# Altium PCB wtc_spi.PcbDoc (part 1 of 2) (continued)
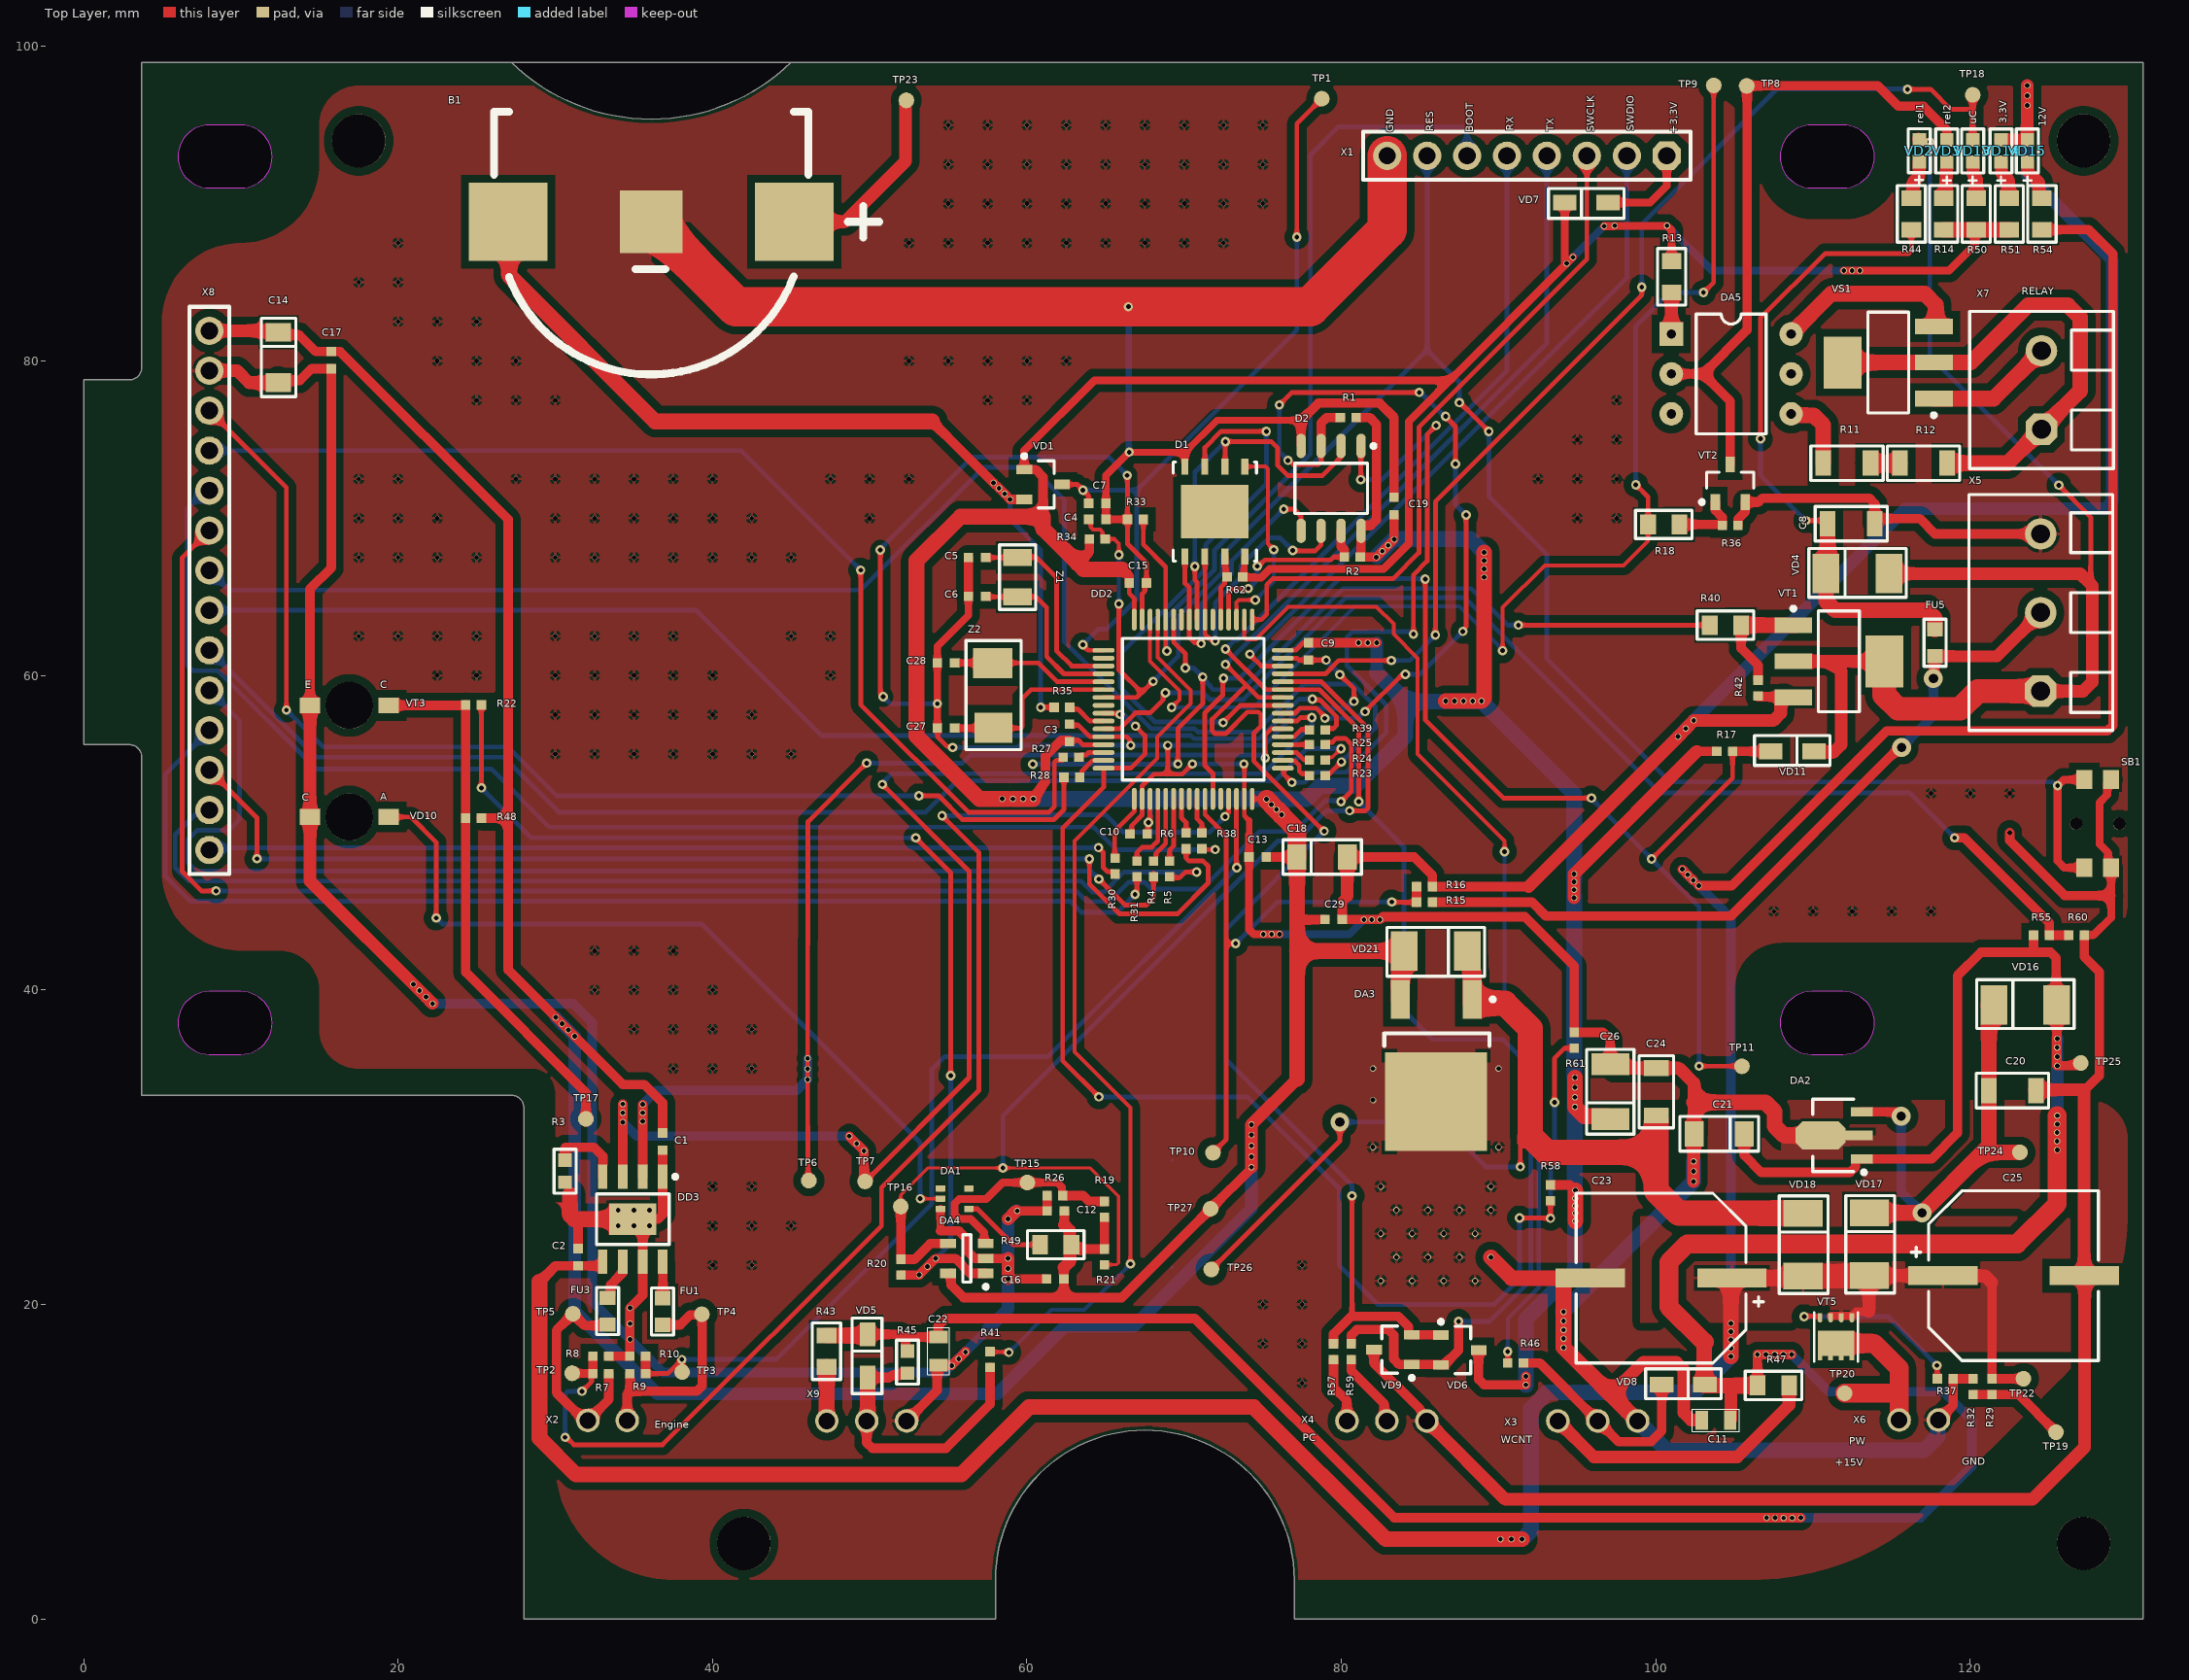
[diagram p0: Top Layer view]
## Components (designator, comment, footprint, x,y, rotation, side; value= is the part's Value field where it differs from the comment) (continued)
VD10 "TMSL1000" TSML1000 16.9,51 r180 top
VD11 "F1J" SOD123F 108.675,55.175 r0 top
VD13 "BLUE" CH0603LB 120.15,93.35 r90 top
VD14 "RED" CH0603LB 121.95,93.35 r90 top
VD15 "ORANGE" CH0603LB 123.625,93.35 r90 top
VD16 "B140-E3/61T" SMA 123.5,39.05 r180 top
VD17 "B140-E3/61T" SMA 113.575,23.825 r90 top
VD18 "S2BA" SMA 109.35,23.8 r90 top
VD21 "B140-E3/61T" SMA 86,42.475 r0 top
VS1 "*" SOT223_G-D-S 114.775,79.9 r180 top
VT1 "STN3NF06L" SOT223_G-D-S 111.639,60.9 r0 top
VT2 "*" SOT23_123 104.725,72.225 r90 top
VT3 "TEMT1000" TEMT1000 16.9,58.1 r180 top
VT5 "*" PQFN-3X3 110.437,16.607 r90 top
X1 "*" "CON: PBS-8" 91.8,93.05 r180 top
X2 "*" "CON: MX-22-05-3021" 32.075,12.625 r0 top
X3 "*" "CON: MX-22-05-3031" 93.76,12.591 r0 top
X4 "*" "CON: MX-22-05-3031" 80.35,12.591 r0 top
X5 "*" "CON: 300-03P-5.0" 124.475,64 r90 top
X6 "*" "CON: MX-22-05-3021" 115.468,12.647 r0 top
X7 "*" "CON: 300-02P-5.0" 124.525,78.15 r90 top
X8 "*" DS1024-14 8,48.9 r90 top locked
X9 "*" "CON: MX-22-05-3031" 47.27,12.591 r0 top
Z1 "32.768KHz" "OSC: 3215" 59.4,66.25 r90 top
Z2 "8МГц" "OSC: ABM3" 57.875,58.725 r180 top

## Footprints (in the part's own frame and the unit in brackets; to place one, negate y for a bottom-side part, rotate by r counter-clockwise, add the part's x,y. Pads: shape width x height; smd on the part's side, far side on the other; paste and mask are expansions set on the pad)
8-HSOP [mm]
  rect 1.55x0.6 smd: 1(-2.7,1.905) 2(-2.7,0.635) 3(-2.7,-0.635) 4(-2.7,-1.905) 5(2.7,-1.905) 6(2.7,-0.635) 7(2.7,0.635) 8(2.7,1.905)
  rect 2x3 smd: 1(0,0)
  round 0.7 on Mech1: 28(-2.395,1.8)
  silkscreen extent -2.82,-2.3 1.61,2.83, body extent -3,-2.45 3,2.45, height 1.75
8-SOIC [mm]
  rrect100% 1.55x0.6 smd: 1(-2.7,1.905) 2(-2.7,0.635) 3(-2.7,-0.635) 4(-2.7,-1.905) 5(2.7,-1.905) 6(2.7,-0.635) 7(2.7,0.635) 8(2.7,1.905)
  round 0.7 on Mech1: 28(-2.395,1.8)
  silkscreen extent -2.82,-2.3 1.61,2.83, body extent -3,-2.45 3,2.45, height 1.75
"8-WSON (5X6MM)WITHOUT_HOLES" [mm]
  round 0.5 on Mech1: 0(-2.5,2)
  round 0.5 on Top Overlay: 1(-3.5,3)
  rect 1x0.45 smd: 1(-2.86,1.905) 2(-2.86,0.635) 3(-2.86,-0.635) 4(-2.86,-1.905) 5(2.86,-1.905) 6(2.86,-0.635) 7(2.86,0.635) 8(2.86,1.905)
  rect 3.4x4.3 smd paste-1.7: 9(0,0)
  silkscreen extent -3.15,-2.65 3.15,2.65, body extent -3.05,-2.5 2.95,2.5, height 0.8
64-LQFP [mm] "Thin QFP, 64-Leads, Body 10x10mm, Pitch 0.5mm, IPC Medium Density"
  oval 1.4x0.3 smd: 1(-5.7,3.75) 2(-5.7,3.25) 3(-5.7,2.75) 4(-5.7,2.25) 5(-5.7,1.75) 6(-5.7,1.25) 7(-5.7,0.75) 8(-5.7,0.25) 9(-5.7,-0.25) 10(-5.7,-0.75) 11(-5.7,-1.25) 12(-5.7,-1.75) 13(-5.7,-2.25) 14(-5.7,-2.75) 15(-5.7,-3.25) 16(-5.7,-3.75) 33(5.7,-3.75) 34(5.7,-3.25) 35(5.7,-2.75) 36(5.7,-2.25) 37(5.7,-1.75) 38(5.7,-1.25) 39(5.7,-0.75) 40(5.7,-0.25) 41(5.7,0.25) 42(5.7,0.75) 43(5.7,1.25) 44(5.7,1.75) 45(5.7,2.25) 46(5.7,2.75) 47(5.7,3.25) 48(5.7,3.75)
  round 0.5 on Mech1: 1(-5.4,5.4)
  oval 0.3x1.4 smd: 17(-3.75,-5.7) 18(-3.25,-5.7) 19(-2.75,-5.7) 20(-2.25,-5.7) 21(-1.75,-5.7) 22(-1.25,-5.7) 23(-0.75,-5.7) 24(-0.25,-5.7) 25(0.25,-5.7) 26(0.75,-5.7) 27(1.25,-5.7) 28(1.75,-5.7) 29(2.25,-5.7) 30(2.75,-5.7) 31(3.25,-5.7) 32(3.75,-5.7) 49(3.75,5.7) 50(3.25,5.7) 51(2.75,5.7) 52(2.25,5.7) 53(1.75,5.7) 54(1.25,5.7) 55(0.75,5.7) 56(0.25,5.7) 57(-0.25,5.7) 58(-0.75,5.7) 59(-1.25,5.7) 60(-1.75,5.7) 61(-2.25,5.7) 62(-2.75,5.7) 63(-3.25,5.7) 64(-3.75,5.7)
  round 0.5 on Top Overlay: ""(-5.7,4.4)
  silkscreen extent -4.5,-4.5 4.5,4.5, body extent -6,-6 6,6, height 1.5
"BAT: CR2032_SM" [mm]
  rect 5x5 smd: 1(-9.1,0) 1(9.1,0)
  rect 3.96x3.96 smd: 2(0,0)
  silkscreen extent -10,-9.7 14.5,7, body extent -11.55,-10 11.55,10, height 4.1
C_0603 [mm]
  rect 0.8x1.2 smd: 1(-0.9,0) 2(0.9,0)
  silkscreen extent -1.5,-0.7 1.5,0.7, body extent -0.8,-0.4 0.8,0.4, height 0.6
CH0402C [mm]
  rect 0.6x0.6 smd: 1(-0.55,0) 2(0.55,0)
  body extent -0.51,-0.25 0.51,0.25, height 0.51
CH0402R [mm]
  rect 0.6x0.6 smd: 1(-0.5,0) 2(0.5,0)
  body extent -0.52,-0.25 0.47,0.25, height 0.34
CH0603F [mm] "Chip Resistor, Body 1.6x0.8mm, EIA 0603, IPC Medium Density"
  rect 0.9x1 smd: 1(-0.85,0) 2(0.85,0)
  Top Layer pour cut-out: -0.6,0.5 -0.4,0.7 0.4,0.7 0.6,0.5 0.6,-0.5 0.4,-0.7 -0.4,-0.7 -0.6,-0.5
  silkscreen extent -1.5,-0.7 1.5,0.7, body extent -0.87,-0.47 0.88,0.48, height 0.54
CH0603LB [mm] "Chip Capacitor, 2-Leads, Body 1,53x0,85mm, IPC Medium Density"
  rect 0.85x0.85 smd: 1(-0.7,0) 2(0.7,0)
  silkscreen extent -2.13,-0.7 1.4,0.7, body extent -0.8,-0.4 0.8,0.4, height 0.6
CH0603R [mm]
  rect 0.85x0.85 smd: 1(-0.7,0) 2(0.7,0)
  silkscreen extent -1.4,-0.7 1.4,0.7, body extent -0.8,-0.4 0.8,0.4, height 0.44
CH0805R [mm]
  rect 1x1.25 smd: 1(-1,0) 2(1,0)
  silkscreen extent -1.8,-0.9 1.8,0.9, body extent -1,-0.6 1,0.6, height 0.44
CH1206C [mm] "Non polar chip capacitor, size 1206"
  rect 1x1.6 smd: 1(-1.5,0) 2(1.5,0)
  silkscreen extent -2.3,-1.1 2.3,1.1, body extent -1.6,-0.8 1.6,0.8, height 1
CH1206R [mm] "Chip Resistor, 2-Leads, Body 3,0x1,5mm, IPC Low Density"
  rect 1x1.6 smd: 1(-1.5,0) 2(1.5,0)
  silkscreen extent -2.3,-1.1 2.3,1.1, body extent -1.65,-0.8 1.55,0.8, height 0.47
"CON: 300-02P-5.0" [mm] "2 pin 5.08mm screw connector"
  oct 2x2 hole 1.2: 1(-2.5,0)
  round 2 hole 1.2: 2(2.5,0)
  round 0.5 on Mech1: 13(-4.4,-3.9)
  silkscreen extent -5,-4.57 5,4.57, body extent -5.08,-4.44 5.08,4.56, height 12.5
"CON: 300-03P-5.0" [mm] "3 pin 5.08mm screw connector"
  oct 2x2 hole 1.2: 1(-5,0)
  round 2 hole 1.2: 2(0,0) 3(5,0)
  round 0.5 on Mech1: 11(-6.7,-3.7)
  silkscreen extent -7.5,-4.57 7.5,4.57, body extent -7.62,-4.44 7.62,4.56, height 12.5
"CON: MX-22-05-3021" [mm]
  round 1.5 hole 1.05: 1(0,0) 2(2.5,0)
  body extent -1.3,-12.59 3.78,0.35, height 6.5
"CON: MX-22-05-3031" [mm]
  round 1.5 hole 1.05: 1(0,0) 2(2.54,0) 3(5.08,0)
  body extent -1.27,-12.59 6.35,0.35, height 6.5
"CON: PBS-8" [mm] "PBS-8"
  oct 1.8x1.8 hole 1.1: 1(-8.89,0)
  round 1.8 hole 1.1: 2(-6.35,0) 3(-3.81,0) 4(-1.27,0) 5(1.27,0) 6(3.81,0) 7(6.35,0) 8(8.89,0)
  silkscreen extent -10.41,-1.52 10.41,1.52
D10C4.4H10 [mm]
  rect 4.4x1.2 smd: 1(-4.5,0) 2(4.5,0)
  silkscreen extent -6.5,-5.4 5.4,5.4, body extent -5.9,-5.25 5.9,5.25, height 10.5
DIP6 [mm]
  rect 1.5x1.5 hole 0.6: 1(0,0)
  round 1.5 hole 0.6: 2(0,-2.54) 3(0,-5.08) 4(7.62,-5.08) 5(7.62,-2.54) 6(7.62,0)
  silkscreen extent 1.58,-6.35 6.04,1.27
DPAK_213 [mm]
  rect 6.25x6.5 smd: 1(3.25,0)
  rect 2.5x1.2 smd: 2(-3.25,2.29) 3(-3.25,-2.29)
  round 0.5 on Mech1: ""(-3.2,2.9)
  silkscreen extent -3.37,-3.3 -0.3,3.72, body extent -3.8,-3.32 6.3,3.42, height 2.37
DS1024-14 [mm]
  round 1.8 hole 1.1: 1(0,0) 2(2.54,0) 3(5.08,0) 4(7.62,0) 5(10.16,0) 6(12.7,0) 7(15.24,0) 8(17.78,0) 9(20.32,0) 10(22.86,0) 11(25.4,0) 12(27.94,0) 13(30.48,0) 14(33.02,0)
  silkscreen extent -1.52,-1.27 34.54,1.27, body extent -1.49,-1.25 34.51,1.25, height 5
"OSC: 3215" [mm]
  rect 1.1x1.8 smd: 1(-1.25,0) 3(1.25,0)
  silkscreen extent -2.05,-1.15 2.05,1.15, body extent -1.61,-0.76 1.61,0.76, height 0.91
"OSC: ABM3" [mm] "Quartz"
  rect 2.4x1.9 smd: 1(0,2.05)
  rect 2.5x1.9 smd: 3(0.05,-2.05)
  silkscreen extent -1.75,-3.5 1.75,3.45, body extent -1.6,-2.45 1.6,2.55, height 1.3
PQFN-3X3 [mm]
  oval 0.5x0.3 smd: 1(2.5,0) 3(2.5,-2.025) 3(2.5,-1.35) 3(2.5,-0.675)
  rect 0.35x0.3 smd: 1(2.65,0) 2(0,-0.675) 2(0,-2.025) 3(2.65,-2.025) 3(2.65,-1.35) 3(2.65,-0.675)
  rect 0.35x0.3 smd paste-2539.97 mask+0.102: 2(0,0) 2(0,-1.35)
  rect 1.6x2.325 smd: 2(0.918,-1.013)
  round 0.35 on Top Overlay: NONE(2.75,0.625)
  silkscreen extent -0.25,-2.4 2.88,0.38, body extent -0.17,-2.52 2.83,0.48, height 0.95
SMA [mm]
  rect 1.7x2.5 smd: 1(-2,0) 2(2,0)
  round 0.5 on Mech1: ""(2,0.9)
  silkscreen extent -3.1,-1.6 3.1,1.5, body extent -2.5,-1.35 2.5,1.35, height 2.28
SOD123F [mm] "Schottky Diode, 2-Leads, Body 3x2mm, 0.4W"
  rect 1.5x1 smd: 1(-1.375,0) 2(1.375,0)
  round 0.5 on Mech1: ""(1.5,0.5)
  silkscreen extent -2.4,-0.9 2.4,1, body extent -1.87,-0.85 1.88,0.85, height 1.23
SOT23-5 [mm] "SOT23, 5-Leads, Body 2,90x2,80mm, Pitch 0,95mm, IPC Medium Density"
  rect 1x0.6 smd: 1(-1.2,0.95) 2(-1.2,0) 3(-1.2,-0.95) 4(1.2,-0.95) 5(1.2,0.95)
  round 0.5 on Mech1: ""(-1.1,1.1)
  silkscreen extent -1.33,-1.5 0.25,1.92, body extent -1.5,-1.5 1.5,1.5, height 1.3
SOT23_123 [mm] "SOT23, 3-Leads, Body 3,0x2,6mm (max), Pitch 0,95mm, IPC Medium Density"
  rect 1x0.6 smd: 1(-1.2,0.95) 2(1.2,0) 3(-1.2,-0.95)
  round 0.5 on Mech1: ""(-0.9,1.1)
  silkscreen extent -1.32,-1.5 0.7,1.92, body extent -1.32,-1.52 1.32,1.52, height 1.12
SOT23_132 [mm] "SOT23, 3-Leads, Body 3,0x2,6mm (max), Pitch 0,95mm, IPC Medium Density"
  rect 1x0.6 smd: 1(-1.2,0.95) 2(-1.2,-0.95) 3(1.2,0)
  round 0.5 on Mech1: ""(-0.9,1.1)
  silkscreen extent -1.33,-1.5 0.7,1.92, body extent -1.32,-1.52 1.32,1.52, height 1.12
SOT89_PC12120 [mm]
  rect 1.8x0.6 smd: 1(-1.6,0)
  oct 3.2x1.8 smd: 1(0.825,0)
  rect 1.4x0.6 smd: 2(-1.8,-1.5) 3(-1.8,1.5)
  round 0.5 on Mech1: ""(-1.8,1.8)
  silkscreen extent -2.05,-2.3 1.32,2.47, body extent -2.3,-2.25 2,2.25, height 1.51
SOT223_G-D-S [mm]
  rect 2.4x1 smd: 1(-2.9,2.3) 2(-2.9,0) 3(-2.9,-2.3)
  rect 2.4x3.3 smd: 2(2.9,0)
  round 0.5 on Mech1: ""(-3,2.7)
  silkscreen extent -3.03,-3.2 1.3,3.47, body extent -3.48,-3.25 3.48,3.25, height 1.65
SOT353 [mm]
  rrect20% 0.6x0.4 smd: 1(0,0) 2(0,-0.65) 3(0,-1.3) 4(1.8,-1.3) 5(1.8,0)
  body extent -0.2,-1.73 2,0.48, height 1
TANTAL_A [mm]
  rect 1.2x1.6 smd: 1(-1.6,0) 2(1.6,0)
  round 0.5 on Mech1: ""(-1.2,0.4)
  silkscreen extent -2.5,-1.1 2.5,1.1, body extent -1.7,-0.84 1.7,0.84, height 1.71
TANTAL_B [mm]
  rect 1.4x2.4 smd: 1(-1.75,0) 2(1.75,0)
  round 0.5 on Mech1: ""(-1.4,1)
  silkscreen extent -2.7,-1.5 2.7,1.5, body extent -1.85,-1.46 1.85,1.47, height 2.03
TEMT1000 [mm]
  rect 1.3x1 smd: 1(-2.5,0) 2(2.5,0)
  body extent -2.9,-1 2.9,1, height 1.55
TESTPOINT [mm]
  round 1 smd: 0(0,0)
TestPoint [mm]
  round 1 smd: 0(0,0)
TL1014BF160QG [mm]
  rect 1.2x1 smd: 1(-2.8,-0.525) 1(2.8,-0.525) 2(-2.8,-2.225) 2(2.8,-2.225)
  round 0.6 on Top Overlay mask+0.05: 360(4,-0.475)
  round 0.8 hole 0.8: N(0,0) N(0,-2.75)
  body extent -3.2,-4.13 3.2,0.37, height 1.65
TSML1000 [mm]
  rect 1.3x1 smd: 1(-2.5,0) 2(2.5,0)
  body extent -2.9,-1 2.9,1, height 1.55

## Part data
B1: library part Battery_CR2032
C1 C2 C7 C8 C17 C19 C20 C24 C29: library part Capacitor
C3 C4 C5 C6 C9 C10 C13 C15 C27 C28: library part Capacitor, "0402"
C11 C22: library part C_SMD
C12 C16: library part Capacitor, "0805"
C14 C18 C21 C26: library part TantalCap
C23 C25: library part AlumCap
D1: "Flash", Manufacturer="Winbond Electronics", ComponentKind=8-WSON, HelpURL=https://www.digikey.com/product-detail/en/winbond-electronics/W25Q128FVPIG/W25Q128FVPIG-ND/4037386, Model=W25Q128FVPIG
D2: library part W25Q80JVSSIQ, "Flash", Manufacturer="Winbond Electronics", ComponentKind=8-SOIC, HelpURL=https://www.digikey.com/product-detail/en/winbond-electronics/W25Q80JVSSIQ/W25Q80JVSSIQ-ND/6193772, Model=W25Q80JVSSIQ
DA1: "Iout = 0.617/Rext + 15 µA"
DA2 DA3: library part LM1117
DA4: library part LMV331M5, "SOT23-5"
DA5: library part MOC3063
DD2: "Cortex-M3 (64-LQFP)"
FU1 FU3 FU5: library part Fuse
R1 R2 R4 R5 R6 R23 R24 R25 R27 R28 R30 R31 R35 R38 R39 R62: library part Resistor, "0603"
R3 R7 R8 R9 R10 R11 R12 R13 R14 R15 R16 R17 R18 R19 R20 R21 R22 R26 R29 R32 R36 R37 R40 R41 R42 R43 R44 R45 R46 R47 R50 R51 R54 R55 R57 R58 R59 R60 R61: library part Resistor
R33 R34 R48 R49: library part Resistor, "0805"
SB1: library part "Tactile switches", "6x6 mm"
TP1 TP2 TP3 TP4 TP5 TP6 TP7 TP8 TP9 TP10 TP11 TP15 TP16 TP17 TP18 TP19 TP20 TP22 TP23 TP24 TP25 TP26 TP27: library part TestPoint
VD1: library part "Diod Schottky Array v.1", "SOT-23"
VD2 VD3 VD10 VD13 VD14 VD15: library part LED_1
VD4: library part "Diod Schottky"
VD5 VD7 VD8 VD11 VD16 VD17 VD18 VD21: library part Diod
VD6: library part "Diod Schottky Array v.1"
VD9: library part "TVS Array"
VS1: library part TRIAC, "Bipolar"
VT1 VT2: library part N-chanel, "Mosfet"
  VT1: Model=STN3NF06L
VT5: library part P-chanel, "Mosfet"
X1: library part 8-Connector, "Pin header 8"
X2 X6 X7: library part 2-Connector
X3 X4 X5 X9: library part 3-Connector
X8: library part 14-Connector
Z1: library part Oscillator
Z2: library part Oscillator, "NX5032GA-8MHz"

## Free pads (board coordinates)
  round 0.4 hole 0.3 mask+0.05: 9(54.2,22.925) 10(53.675,22.4) 11(58.8,22.925) 12(58.8,21.625) 13(55.22,16.101) 13(55.657,16.538) 13(56.095,16.976) 13(58.8,22.275) 14(58.8,25.425) 15(59.379,25.95) 16(76.059,43.55) 16(81.425,44.475) 17(75.034,43.55) 17(82.45,44.475) 18(102.404,57.145) 19(101.9,56.625) 20(101.413,56.108) 27(123.625,97.525) 28(123.625,96.25) 29(123.625,96.875) 33(94.125,19.525) 34(94.125,17.25) 35(94.125,17.825) 36(75.559,43.55) 36(81.925,44.475) 37(83.35,68.65) 38(82.225,67.525) 39(82.6,67.9) 40(82.975,68.275) 41(89.075,67.821) 42(89.076,66.257) 43(89.075,67.3) 44(89.075,66.775) 45(88.9,58.375) 46(86.625,58.375) 47(87.2,58.375) 48(87.762,58.375) 49(88.35,58.375) 50(81.089,62.075) 51(82.241,62.075) 52(81.675,62.075) 53(75.229,52.123) 54(76.2,51.15) 55(75.546,51.788) 56(75.87,51.476) 57(60.4,52.15) 58(58.431,52.153) 59(59.102,52.149) 60(59.758,52.149) 61(58.925,71.2) 62(57.875,72.25) 63(58.225,71.9) 64(58.575,71.55) 65(101.675,47.675) 66(102.725,46.625) 67(102.025,47.325) 68(102.375,46.975) 69(94.8,47.375) 70(94.8,45.858) 71(94.8,46.373) 72(94.8,46.878) 73(94.85,34.425) 74(94.85,32.561) 75(94.85,33.8) 76(94.85,33.175) 77(94.875,25.3) 78(94.875,27.249) 79(94.875,25.8) 80(94.875,26.274) 81(94.875,26.75) 83(91.725,15.432) 84(91.725,14.888) 85(94.125,18.95) 86(94.125,18.375) 87(53.15,21.875) 88(107.044,6.428) 88(108.633,16.819) 88(125.525,32.001) 89(106.456,16.819) 89(109.22,6.428) 89(125.525,29.825) 90(107.004,16.826) 90(108.672,6.421) 90(125.518,30.373) 91(107.559,16.83) 91(108.118,6.417) 91(125.514,30.928) 92(107.575,6.425) 92(108.102,16.822) 92(125.522,31.47) 93(125.525,35.175) 94(125.517,36.334) 95(125.525,35.75) 96(125.525,36.9) 97(104.775,16.7) 98(104.775,17.225) 99(104.775,17.75) 100(104.775,18.275) 101(104.776,18.801) 102(90.114,5.067) 103(91.489,5.067) 104(90.804,5.069) 105(74.275,28.725) 106(74.275,31.44) 107(74.275,30.083) 108(74.275,30.775) 109(74.275,29.4) 110(34.75,19.775) 111(34.75,17.779) 112(34.75,18.777) 114(49.638,29.762) 115(48.7,30.7) 116(49.169,30.231) 117(46.05,34.975) 118(46.05,35.65) 119(46.05,34.3) 120(35.56,32.725) 121(35.56,31.64) 122(35.56,32.183) 123(34.289,32.742) 124(34.3,31.592) 125(34.293,32.186) 126(22.2,39.125) 127(20.97,40.366) 128(21.36,39.965) 129(21.775,39.55) 130(31.225,37.05) 131(30.025,38.25) 132(30.425,37.85) 133(30.825,37.45) 142(112.975,85.75) 143(112.475,85.75) 144(111.95,85.75) 145(94.725,86.6) 146(94.325,86.2) 147(96.7,88.575) 148(97.375,88.6) 148(100.707,88.6) 163(102.4,27.825) 163(102.4,28.462) 163(102.4,29.1) 168(34,26) 169(35,26) 170(36,26) 171(36,25) 172(35,25) 173(34,25)
  round 0.3 hole 0.3 mask+0.05: 175(30,72.5) 176(32.5,72.5) 177(35,72.5) 178(37.5,72.5) 179(40,72.5) 180(42.5,70) 181(40,70) 182(37.5,70) 183(35,70) 184(32.5,70) 185(30,70) 186(27.5,72.5) 187(30,67.5) 188(32.5,67.5) 189(35,67.5) 190(37.5,67.5) 191(40,67.5) 192(42.5,67.5) 193(45,67.5) 194(20,72.5) 195(22.5,70) 196(25,67.5) 197(17.5,72.5) 198(17.5,70) 199(20,70) 200(17.5,67.5) 201(20,67.5) 202(22.5,67.5) 203(17.5,62.5) 204(20,62.5) 205(22.5,62.5) 206(25,62.5) 207(22.5,60) 208(25,60) 209(30,62.5) 210(30,60) 211(30,57.5) 212(30,55) 213(32.5,62.5) 214(35,62.5) 215(37.5,62.5) 216(40,60) 217(42.5,57.5) 218(45,55) 219(32.5,60) 220(35,60) 221(37.5,60) 222(32.5,57.5) 223(35,57.5) 224(37.5,57.5) 225(40,57.5) 226(32.5,55) 227(35,55) 228(37.5,55) 229(40,55) 230(42.5,55) 231(45,62.5) 232(47.5,60) 233(47.5,62.5) 234(47.5,72.5) 235(50,72.5) 236(52.5,72.5) 237(50,70) 238(17.5,85) 239(20,82.5) 240(22.5,80) 241(25,77.5) 242(27.5,77.5) 243(30,77.5) 244(27.5,80) 245(25,80) 246(22.5,82.5) 247(25,82.5) 248(20,85) 249(20,87.5) 250(57.5,95) 251(55,92.5) 252(55,90) 253(52.5,87.5) 254(55,87.5) 255(57.5,87.5) 256(57.5,90) 257(57.5,92.5) 258(55,95) 259(60,95) 260(62.5,95) 261(65,95) 262(67.5,95) 263(70,95) 264(72.5,95) 265(75,95) 266(75,92.5) 267(75,90) 268(72.5,87.5) 269(72.5,90) 270(72.5,92.5) 271(70,92.5) 272(70,90) 273(70,87.5) 274(67.5,92.5) 275(67.5,90) 276(67.5,87.5) 277(60,92.5) 278(62.5,92.5) 279(65,92.5) 280(60,90) 281(62.5,90) 282(65,90) 283(65,87.5) 284(60,87.5) 285(62.5,87.5) 286(60,80) 287(60,77.5) 288(57.5,77.5) 289(57.5,80) 290(55,80) 291(62.5,80) 292(52.5,80) 293(77.5,22.5) 294(77.5,20) 295(77.5,17.5) 296(77.5,15) 297(75,17.5) 298(75,20) 299(107.5,45) 300(110,45) 301(112.5,45) 304(115,45) 305(117.5,45) 306(120,52.5) 307(122.5,50) 311(122.5,52.5) 317(117.5,52.5) 324(92.5,72.5) 325(95,75) 326(97.5,77.5) 333(97.5,75) 334(95,72.5) 335(97.5,72.5) 337(95,70) 338(97.5,70) 339(40,27.5) 340(42.5,27.5) 341(45,25) 342(42.5,25) 343(40,25) 344(40,22.5) 345(42.5,22.5) 346(32.5,42.5) 347(35,42.5) 348(37.5,42.5) 349(35,40) 350(37.5,40) 351(40,40) 352(35,37.5) 353(37.5,37.5) 354(40,37.5) 355(42.5,37.5) 356(37.5,35) 357(40,35) 358(42.5,35) 359(32.5,40)
  round 3 hole 3: board(16.9,51) board(16.9,58.1)
  round 3.4 hole 3.4 unplated: NN(17.5,94) NN(42,4.8) NN(127.2,4.8) NN(127.2,94)

## Via types
v1: diameter 0.6, hole 0.3, Top Layer to Bottom Layer, tented both sides, 130 vias
v2: diameter 0.4, hole 0.3, Top Layer to Bottom Layer, tented both sides, 23 vias
v3: diameter 1.2, hole 0.6, Top Layer to Bottom Layer, tented both sides, 5 vias

## Nets (pads, with @x,y where several pads share a name; then routed paths per layer and width w, separated by ;. In a path a pad name is that pad's centre, name@x,y a point inside that pad or via, vN(x,y) a via of type N, cw(c..) or ccw(c..) an arc to the next point about the centre after c; other vN are vias at no path point)
3R3V_CNTR: DD2.9 DD2.16 R58.1 R61.2 | length 84.9
  Top Layer w0.3: v1(64.575,33.2) 62.275,35.5 62.275,50.3 64.875,52.9 DD2.16@64.875,54.1 66.6,54.1 67.5,55 67.5,56.175 v1(66.9,56.775) ; DD2.9@64.875,57.6 65.425,57.6 65.443,57.582 65.868,57.582 v1(65.925,57.525) ; v1(91.325,25.5) 91.337,25.488 93.287,25.488 v1(93.3,25.475) R58.1@93.3,26.6 ; v1(93.55,32.85) 93.55,35.65 94.2,36.3 R61.2@94.8,36.3
  Bottom Layer w0.3: v1(64.575,33.2) 74.025,33.2 79.875,27.35 79.875,22.45 82.325,20 89.7,20 91.325,21.625 v1(91.325,25.5) ; v1(65.925,57.525) 65.982,57.468 66.207,57.468 v1(66.9,56.775) ; v1(93.3,25.475) 93.3,28.525 93.55,28.775 v1(93.55,32.85)
5V_CNTR: DD2.11 R55.1 R60.2 | length 74.7
  Top Layer w0.3: DD2.11@64.875,56.6 65.875,56.6 66.9,57.625 67.825,57.625 68.657,58.457 68.657,58.676 68.8,58.819 v1(68.8,58.9)
  Top Layer w0.6: v1(119,49.675) 119.6,49.675 125.025,44.25 R55.1@125.025,43.475 R60.2@126.25,43.475
  Bottom Layer w0.3: v1(68.8,58.9) 71.191,58.9 71.616,58.475 73.775,58.475 80.25,64.95 87.85,64.95 100.275,52.525 116.15,52.525 v1(119,49.675)
15V_CNTR: DD2.8
24V_CNTR: R29.1 R32.2 TP19.0 | length 6.3
  Top Layer w0.6: R32.2@120.175,14.275 R29.1@121.375,14.275 123.05,14.275 TP19.0@125.45,11.875
+3.3V: C1.2 C3.1 C9.1 C10.2 C12.2 C13.2 C14.1 C15.2 C16.2 C17.2 C18.1 C19.2 C26.1 C29.2 D1.8 D2.8 DA3.3 DA4.5 DD2.13 DD2.19 DD2.32 DD2.48 DD2.64 pad.37 pad.38 pad.39 pad.40 pad.41 pad.42 pad.43 pad.44 pad.45 pad.46 pad.47 pad.48 pad.49 pad.50 pad.51 pad.52 pad.53 pad.54 pad.55 pad.56 pad.57 pad.58 pad.59 pad.60 pad.69 pad.70 pad.71 pad.72 pad.73 pad.74 pad.75 pad.76 pad.77 pad.78 pad.79 pad.80 pad.81 pad.83 pad.84 pad.105 pad.106 pad.107 pad.108 pad.109 pad.130 pad.131 pad.132 pad.133 pad.142 pad.143 pad.144 pad.145 pad.146 pad.147 pad.148 R1.2 R2.2 R13.2 R14.2 R17.2 R19.2 R21.2 R34.2 R48.2 R49.2 R50.2 R51.2 R58.2 R62.2 TP27.0 VD1.1 VD6.2 VD7.2 VD21.1 X8.14 | length 540.6
  Top Layer w0.25: DD2.48@76.275,61.6 76.285,61.61 DD2.48@76.87,61.61
  Top Layer w0.3: C3.1@62.7,55.875 63.275,55.875 63.55,55.6 DD2.13@64.875,55.6 ; 66.5,65.547 66.5,65.225 66.825,64.9 66.825,64.1 DD2.64@66.825,63.55 ; C10.2@67.65,49.925 67.699,49.974 67.699,50.499 v1@67.825,50.625 ; v1(67.725,50.65) 67.725,50.731 67.825,50.831 DD2.19@67.825,52.15 ; DD2.32@74.325,52.15 pad.53@75.175,52.15 ; DD2.48@76.87,61.61 77.085,61.61 77.55,62.075 C9.1@77.85,62.075
  Top Layer w0.4: R62.2@73.725,66.275 73.797,66.347 73.797,66.851 73.83,66.884 73.83,67.54 D1.8@73.855,67.565
  Top Layer w0.5: VD1.1@59.825,73.1 59.825,74.3 64.3,78.775 86.9,78.775 ; R62.2@73.706,66.225 74.9,66.225 75.45,66.775 82.675,66.775 84.275,68.375 84.275,76.15 86.9,78.775 ; VD7.2@94.2,90.075 94.2,86.325 pad.146@94.325,86.2 ; pad.145@94.725,86.6 pad.146@94.325,86.2 ; pad.147@96.7,88.575 pad.148@97.3,88.575 ; pad.148@97.375,88.6 pad.148@100.707,88.6 101,88.307 R13.2@101,86.35 ; pad.144@111.95,85.75 pad.143@112.475,85.75 pad.142@112.975,85.75 118.65,85.75 119.85,86.95 120.293,87.393 120.293,88.268 R50.2@120.375,88.35 ; 86.9,78.775 pad.146@94.325,86.2
  Top Layer w0.6: C14.1@12.724,81.651 13.724,81.651 14.775,80.6 C17.2@15.75,80.6 16.325,80.6 27,69.925 27,50.925 ; R48.2@25.3,50.925 27,50.925 ; C1.2@36.825,30.9 36.825,32.825 35.662,33.988 34.288,33.988 pad.130@31.225,37.05 pad.131@30.025,38.25 27,41.275 27,50.925 ; DA4.5@55.175,21.975 55.175,21.225 55.975,20.425 62.35,20.425 ; VD1.1@59.825,73.1 60.544,73.1 61.025,72.619 61.025,70.1 61.05,70.075 ; pad.57@60.4,52.15 61.175,53.275 61.175,54.876 62.174,55.875 C3.1@62.7,55.875 ; 62.35,22.35 C16.2@62.35,21.625 62.35,20.425 ; 62.375,25.05 C12.2@62.375,25.95 ; 63.225,67.125 63.975,67.875 R34.2@63.975,68.675 ; 63.394,23.525 R21.2@64.925,23.525 R19.2@64.925,25.55 ; 66.065,66.75 66.5,66.315 C15.2@66.5,65.875 ; pad.105@74.275,28.725 74.325,28.725 71.675,26.075 66.025,20.425 62.35,20.425 ; C13.2@75.225,48.45 C18.1@77.025,48.45 ; 77.175,44.475 C29.2@78.95,44.475 ; C9.1@77.903,62.072 77.907,62.075 pad.50@81.089,62.075 81.669,62.075 pad.52@81.672,62.072 ; R1.2@80.925,76.4 81.8,76.4 82.225,75.975 82.225,69.895 81.874,69.544 81.245,69.544 D2.8@81.245,69.2 81.245,67.57 R2.2@81.2,67.525 pad.38@82.225,67.525 pad.37@83.35,68.65 C19.2@83.35,70.225 ; pad.52@81.675,62.075 pad.51@82.241,62.075 ; VD6.2@88.725,17.1 88.725,15.239 89.076,14.888 pad.84@91.725,14.888 pad.83@91.725,15.432 ; R58.2@93.3,27.6 94.524,27.6 pad.78@94.875,27.249 ; 102.6,55.175 R17.2@103.875,55.175
  Top Layer w0.8: X8.14@8,81.92 C14.1@12.425,81.92 ; C14.1@12.661,81.714 C14.1@12.724,81.651 ; 62.35,22.35 62.725,22.725 62.725,23.7 R49.2@62.825,23.8 62.725,23.9 62.725,24.7 62.375,25.05 ; R49.2@62.825,23.675 62.925,23.575 63.344,23.575 63.394,23.525 ; pad.105@74.275,28.725 pad.107@74.275,30.083 pad.108@74.275,30.775 74.274,30.776 pad.106@74.275,31.44 pad.106@74.275,31.44 77.175,34.34 ; pad.70@94.8,45.858 94.797,46.346 94.797,46.373 pad.72@94.8,46.878 94.8,46.925 pad.69@94.8,47.375 102.6,55.175
  Top Layer w1: pad.58@58.431,52.153 58.814,52.15 56.975,52.15 52.975,56.15 52.975,67.3 55.775,70.1 61.025,70.1 61.025,69.325 63.225,67.125 63.6,66.75 66.065,66.75 ; pad.59@59.102,52.149 59.555,52.15 ; 77.175,34.34 77.175,42.475 ; C18.1@77.175,48.45 77.175,44.475 77.175,42.475 ; VD21.1@84,42.475 77.175,42.475 ; pad.46@86.625,58.375 pad.47@87.2,58.375 pad.48@87.762,58.375 pad.49@88.35,58.375 pad.45@88.9,58.375 89.076,58.551 pad.42@89.076,66.257 ; pad.42@89.076,66.257 pad.44@89.075,66.775 pad.43@89.075,67.3 pad.41@89.075,67.821 ; pad.73@94.85,34.425 pad.75@94.85,33.8 pad.76@94.85,33.175 pad.74@94.85,32.561 95.436,31.975 96.9,31.975 C26.1@97.1,31.775 ; pad.77@94.875,25.3 pad.79@94.875,25.8 pad.80@94.875,26.274 pad.81@94.875,26.75 pad.78@94.875,27.249 ; R14.2@118.3,88.35 120.25,88.35 R50.2@120.375,88.35 R51.2@122.475,88.35 ; 59.555,52.15 pad.57@60.4,52.15 pad.60@59.758,52.149 59.555,52.15
  Top Layer w1.2: pad.53@75.236,52.13 pad.55@75.542,51.816 ; pad.55@75.546,51.788 75.86,51.467 76.184,51.134 77.175,50.118 C18.1@77.175,48.45 ; pad.56@75.87,51.476 pad.54@76.196,51.146 ; DA3.3@83.735,39.4 83.735,41.81 84,42.075 VD21.1@84,42.475
  Bottom Layer w0.3: v1(67.725,50.65) 67.782,50.707 67.782,50.92 67.824,50.961 67.824,52.15
  Bottom Layer w0.5: pad.146@94.325,86.2 pad.145@94.725,86.6 pad.147@96.7,88.575 pad.148@97.3,88.575 ; pad.148@100.579,88.575 pad.148@100.707,88.575 ; pad.148@100.707,88.6 103.557,85.75 pad.142@112.975,85.75
  Bottom Layer w0.6: pad.50@81.089,62.078 pad.52@81.675,62.075 pad.51@82.241,62.075
  Bottom Layer w0.8: pad.131@30.025,38.25 pad.132@30.425,37.85 pad.133@30.825,37.45 pad.130@31.225,37.05 31.225,19.575 36.475,14.325 58.125,14.325 62.4,18.6 66.775,18.6 74.275,26.1 pad.105@74.275,28.725 74.269,28.731 74.269,29.394 pad.109@74.275,29.4 74.265,29.41 74.265,30.073 pad.107@74.275,30.083 74.26,30.097 74.26,30.76 pad.108@74.275,30.775 74.274,30.776 pad.106@74.275,31.44 pad.106@74.275,31.44 ; 82.241,60.184 pad.51@82.241,62.075
  Bottom Layer w1: pad.58@58.431,52.153 pad.59@59.102,52.149 pad.60@59.758,52.149 pad.57@60.4,52.15 67.824,52.15 pad.53@75.121,52.15 ; pad.54@76.2,51.15 76.2,51.152 75.873,51.479 pad.53@75.229,52.123 75.87,52.123 77.798,52.123 78.65,52.975 80.9,52.975 84.075,56.15 84.075,58.35 ; 82.241,60.184 84.075,58.35 ; pad.38@82.275,67.6 83.35,68.675 88.221,68.675 pad.41@89.075,67.821 pad.43@89.075,67.3 pad.44@89.075,66.775 pad.42@89.076,66.257 ; pad.84@91.725,14.888 pad.83@91.725,15.432 91.725,19.05 94.85,22.175 94.85,26.75 94.85,27.6 ; pad.73@94.8,34.475 pad.70@94.8,45.858 94.797,46.346 94.797,46.373 pad.72@94.8,46.878 94.8,46.925 pad.69@94.8,47.375 94.8,52.45 88.9,58.35 87.762,58.35 86.625,58.35 84.075,58.35 ; 94.837,27.613 94.837,33.175 pad.73@94.837,34.425
+5V: C11.2 C21.1 C22.2 DA2.3 pad.88 pad.89 pad.90 pad.91 pad.92 pad.93 pad.94 pad.95 pad.96 R43.1 R45.1 R47.1 R55.2 TP25.0 VD5.2 VD8.2 VD16.1 | length 202.9
  Top Layer w0.6: VD5.2@49.875,18.1 51.924,18.1 52.099,17.925 ; 51.924,17.925 52.099,17.925 ; R45.1@52.4,17.025 52.275,17.15 52.275,17.749 52.099,17.925 ; C21.1@105.625,30.85 105.625,29.475 106.7,28.4 112.349,28.4 112.7,28.751 112.7,29.25 DA2.3@113.1,29.25 117.525,29.25 119.175,30.9 119.175,40.9 120.675,42.4 124,42.4 ; pad.89@106.45,16.825 106.462,16.813 R47.1@106.462,14.838 ; pad.89@106.456,16.819 pad.88@108.633,16.819 ; pad.89@109.22,6.428 pad.88@107.044,6.428 83.347,6.428 70.675,19.1 54.825,19.1 54.35,18.625 54.35,17.95 C22.2@54.375,17.925 52.099,17.925 ; R55.2@124.025,43.475 124.025,42.425 124,42.4 ; TP25.0@127.025,35.35 126.917,35.35 126.742,35.175 pad.93@125.525,35.175 125.5,35.2 VD16.1@125.5,39.05 125.45,39.1 125.45,42.049 125.099,42.4 124,42.4
  Top Layer w0.8: C11.2@104.775,12.675 104.775,14.838
  Top Layer w1: R43.1@47.25,18.025 49.875,18.025 VD5.2@49.875,18.1 ; VD8.2@103.075,14.838 104.775,14.838 R47.1@106.462,14.838 ; VD8.2@103.075,14.9 103.075,17.6
  Top Layer w1.2: 103.075,17.6 100.825,19.85 100.825,22.675 102,23.85 122.975,23.85 125.525,26.4 pad.89@125.525,29.825 pad.88@125.525,32.001
  Bottom Layer w0.6: pad.89@106.45,16.825 108.633,16.825 111.008,14.45 118.3,14.45 120.1,12.65 120.1,9.7 116.828,6.428 pad.89@109.22,6.428 pad.88@107.044,6.428
  Bottom Layer w0.8: pad.90@125.518,30.373 pad.91@125.518,30.924 ; pad.89@125.525,29.825 pad.90@125.525,30.366 ; pad.91@125.525,30.939 pad.88@125.525,32.001 125.519,35.175 125.518,35.75 pad.94@125.517,36.334 pad.96@125.525,36.9
+15V: C2.2 C23.1 C25.1 DD3.5 pad.65 pad.66 pad.67 pad.68 pad.97 pad.98 pad.99 pad.100 pad.101 pad.102 pad.103 pad.104 R29.2 R54.2 TP22.0 VD17.1 VD18.1 VT5.3 | length 243.9
  Top Layer w0.3: C23.1@105.283,21.675 C23.1@105.325,21.633
  Top Layer w0.4: pad.65@101.675,47.675 pad.68@102.375,46.975 pad.66@102.725,46.625
  Top Layer w0.5: C23.1@104.775,21.325 105.083,21.633 C23.1@105.325,21.633 ; VT5.3@111.112,19.257 111.13,19.274 111.77,19.274 VT5.3@111.787,19.257 111.805,19.274 112.445,19.274 VT5.3@112.462,19.257 112.755,19.55 113.55,19.55
  Top Layer w0.6: 29,21.45 30,22.45 C2.2@31.45,22.45 33.02,22.45 DD3.5@33.02,22.725 ; pad.65@101.675,47.675 pad.67@102.025,47.325 pad.68@102.375,46.975 ; pad.66@102.725,46.625 104.825,46.625 114.675,56.475 128.724,56.475 129.075,56.826 129.075,86.8 127.525,88.35 R54.2@124.55,88.35 ; 121.375,21.375 R29.2@121.375,15.275 TP22.0@123.375,15.275
  Top Layer w0.8: 113.55,19.55 VD17.1@113.55,21.8 ; VD17.1@113.575,21.825 C25.1@118.25,21.825 118.261,21.814 120.936,21.814 121.375,21.375
  Top Layer w1: 29,21.45 29,11.5 31.325,9.175 55.825,9.175 60.125,13.475 74.425,13.475 82.833,5.067 pad.102@90.114,5.067 90.116,5.069 pad.104@90.804,5.069 ; pad.104@90.806,5.067 pad.103@91.489,5.067 ; pad.97@104.775,16.7 pad.98@104.775,17.225 pad.99@104.775,17.75 pad.100@104.775,18.275 C23.1@104.775,21.325 ; C23.1@105.283,21.675 109.05,21.675 VD18.1@109.05,21.8 ; C25.1@118.3,21.95 C25.1@119.45,21.95
  Top Layer w1.5: VD18.1@109.35,21.8 VD17.1@113.55,21.8
  Bottom Layer w0.6: pad.67@102.025,47.325 pad.65@101.675,47.675 pad.66@102.725,46.625 103.875,45.475 104.775,44.575 pad.100@104.775,18.275 pad.99@104.775,17.75 pad.98@104.775,17.225 pad.97@104.775,16.7
  Bottom Layer w1: pad.102@90.114,5.067 pad.103@91.489,5.067 92.053,5.631 92.053,13.378 93.075,14.4 102.475,14.4 pad.97@104.775,16.7
_220V_REL: DD2.62 R18.2 TP9.0 | length 77.9
  Top Layer w0.25: DD2.62@67.825,63.55 67.825,60.9 69.7,59.025 69.7,58.475 v1(69.2,57.975) ; v1(90.25,61.575) 90.25,64.325 92.925,67 97.95,67 99.5,68.55 R18.2@99.5,69.6
  Top Layer w0.3: v1(98.725,72.125) 99.5,71.35 R18.2@99.5,69.6 ; v1(103.025,84.35) 103.675,85 TP9.0@103.675,97.525
  Bottom Layer w0.25: v1(69.2,57.975) 74.425,57.975 80.85,64.4 87.5,64.4 90.25,61.65 v1(90.25,61.575)
  Bottom Layer w0.3: v1(98.725,72.125) 98.725,82.226 100.899,84.401 100.95,84.35 v1(103.025,84.35)
BACK_LIGHT: R39.1 X8.7 | length 78
  Top Layer w0.3: v1(78.15,58.5) 78.207,58.443 78.632,58.443 79.675,57.4 79.675,56.813 79.499,56.637 79.087,56.637 R39.1@78.975,56.525
  Bottom Layer w0.3: X8.7@8,64.14 38.985,64.14 46.95,56.175 70.425,56.175 70.625,55.975 74.796,55.975 77.321,58.5 v1(78.15,58.5)
BIN1: DD2.38 DD3.2 pad.117 pad.118 pad.119 pad.120 pad.121 pad.122 TP6.0 | length 76.7
  Top Layer w0.3: pad.118@46.05,35.65 pad.119@46.05,34.3 pad.117@46.05,34.975 ; TP6.0@46.075,27.875 pad.117@46.05,34.975 ; v1(49.8,54.425) 46.075,50.7 pad.117@46.05,34.975 ; v1(75.15,54.75) 75.15,56.227 75.523,56.6 DD2.38@76.275,56.6
  Top Layer w0.6: DD3.2@35.56,28.125 pad.120@35.56,32.715 ; TP6.0@46.1,27.9 TP6.0@46.125,27.875
  Bottom Layer w0.3: v1(49.8,54.425) 55.9,54.425 56.425,54.95 74.869,54.95 75.069,54.75 v1(75.15,54.75)
  Bottom Layer w0.6: pad.121@35.56,31.64 pad.122@35.56,32.183 pad.120@35.56,32.725 36.435,33.6 45.35,33.6 pad.119@46.05,34.3 pad.117@46.05,34.975 ; pad.118@46.05,35.65 pad.117@46.058,34.975